# KiCad board panel.kicad_pcb (continued)
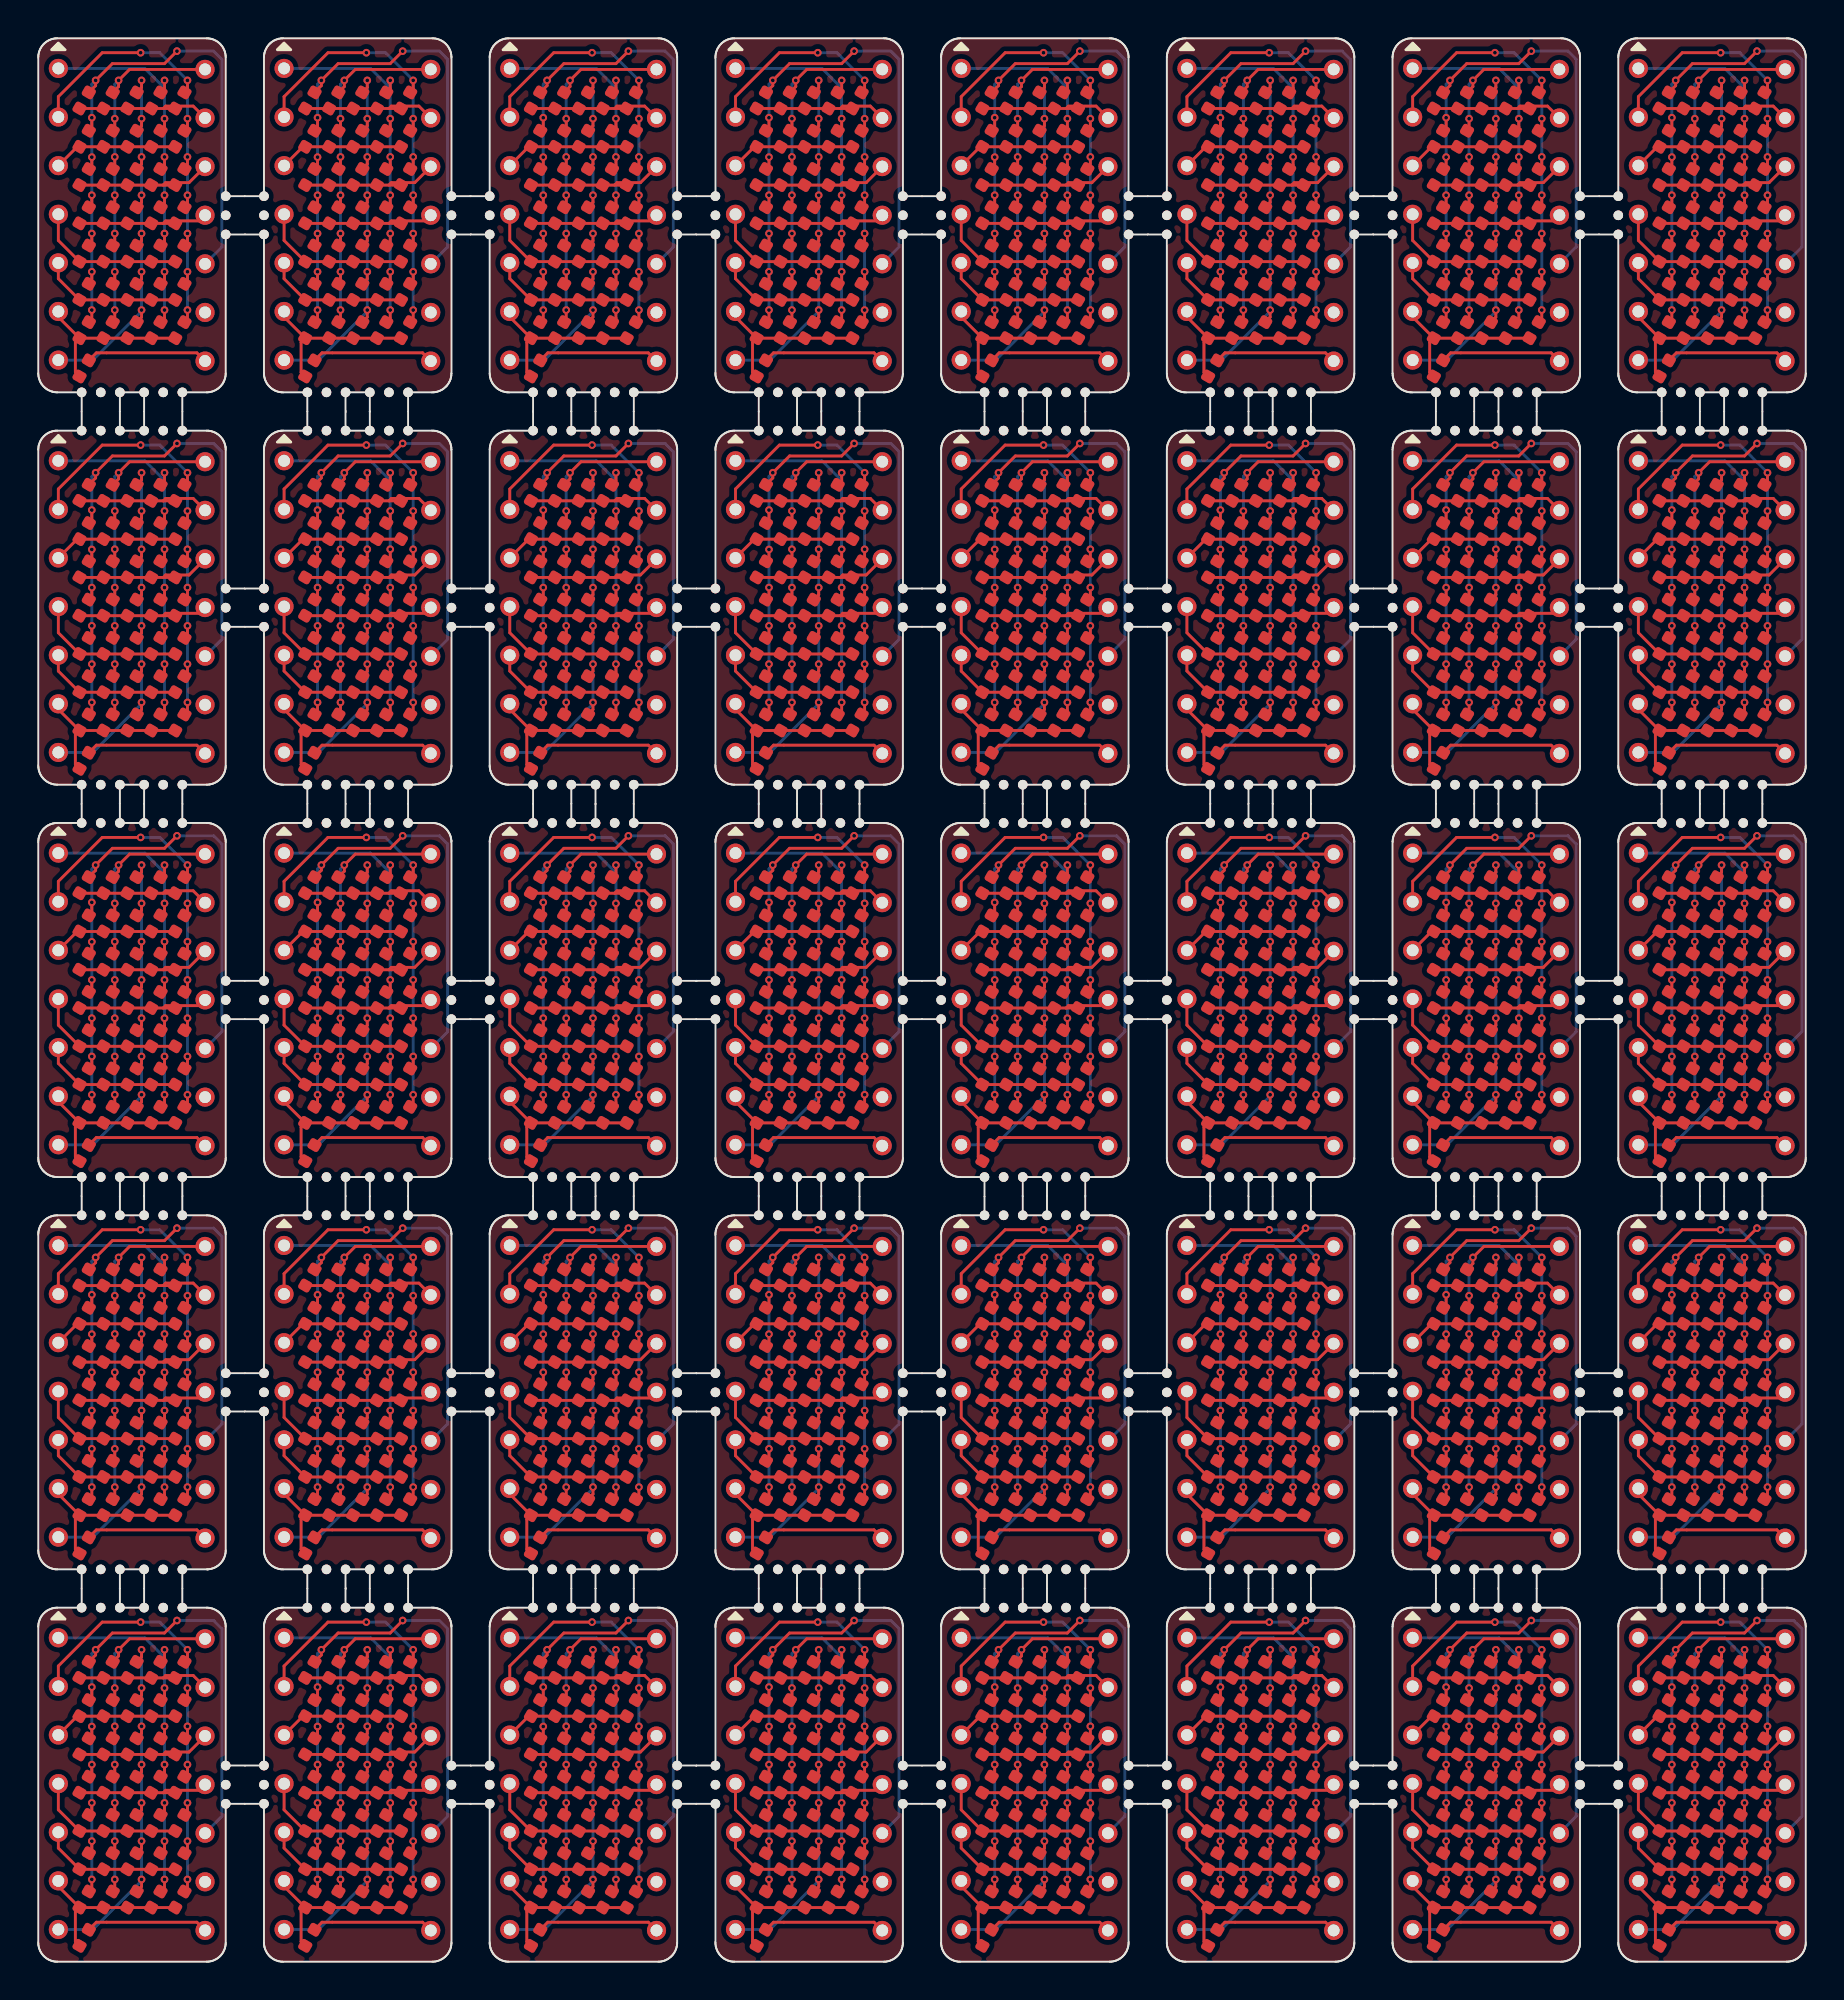
[diagram p0: board, top side]
## Routing (per net, layer and track width the routed paths; a pad name or vN(x,y) marks a point on that pad's centre or on a via; arc(x,y) is an arc through that point) (continued)
Board_1-C2: length 21.6
  Top w0.15: v1(15.8,92.3) 15.8,91.78 D12#33.2 ; D13#8.2 15.8,89.78 v1(15.8,90.3) ; v1(15.8,88.3) 15.8,87.78 D14#22.2 ; D11#27.2 15.8,93.78 v1(15.8,94.3) ; D9#3.2 16,97.98 v1(16,98.3) 16.57,98.87 20.52,98.87 J2#40.1 ; D10#39.2 15.8,95.78 v1(15.8,96.3) ; D15#21.2 15.8,85.78 v1(15.8,86.3)
  Bottom w0.15: v1(16,98.3) 15.8,98.1 v1(15.8,96.3) v1(15.8,94.3) v1(15.8,92.3) v1(15.8,90.3) v1(15.8,88.3) v1(15.8,86.3)
Board_1-C3: length 22.6
  Top w0.15: v1(17.2,86.3) 17.2,85.93 D22#25.2 ; D18#17.2 17.2,93.93 v1(17.2,94.3) ; v1(17.2,92.3) 17.2,91.93 D19.2 ; D17#6.2 17.2,95.93 v1(17.2,96.3) ; v1(17.2,98.3) 17.2,97.93 D16#4.2 ; v1(17.2,88.3) 17.2,87.93 D21#30.2 ; v1(17.2,90.3) 17.2,89.93 D20#22.2
  Bottom w0.15: J1#20.7 14.65,83.69 17.2,86.23 v1(17.2,86.3) v1(17.2,88.3) v1(17.2,90.3) v1(17.2,92.3) v1(17.2,94.3) v1(17.2,96.3) v1(17.2,98.3)
Board_1-C4: length 23
  Top w0.15: D23#20.2 18.4,97.88 v1(18.4,98.3) ; D25#16.2 18.4,93.88 v1(18.4,94.3) ; D27#20.2 18.4,89.88 v1(18.4,90.3) ; D28#25.2 18.4,87.88 v1(18.4,88.3) ; D29#34.2 18.4,85.88 v1(18.4,86.3) ; D24#32.2 18.4,95.88 v1(18.4,96.3) ; D26#22.2 18.4,91.88 v1(18.4,92.3)
  Bottom w0.15: v1(18.4,98.3) 18.4,97.89 ; 18.4,97.89 v1(18.4,96.3) v1(18.4,94.3) v1(18.4,92.3) v1(18.4,90.3) v1(18.4,88.3) v1(18.4,86.3) ; 18.4,97.89 17.37,98.92 J1#20.1
Board_1-C5: length 26.2
  Top w0.15: v1(19.6,88.3) 19.6,87.83 D35#3.2 ; v1(19.6,96.3) 19.6,95.83 D31#8.2 ; v1(19.6,90.3) 19.6,89.83 D34#7.2 ; v1(19.6,92.3) 19.6,91.83 D33#23.2 ; J1#20.2 12.85,97.45 15.14,99.75 v1(17.15,99.75) ; D36#27.2 19.6,85.83 v1(19.6,86.3) ; v1(19.6,98.3) 19.6,97.83 D30#33.2 ; D32#34.2 19.6,93.83 v1(19.6,94.3)
  Bottom w0.15: v1(17.15,99.75) 18.16,99.75 v1(19.6,98.3) v1(19.6,96.3) v1(19.6,94.3) v1(19.6,92.3) v1(19.6,90.3) v1(19.6,88.3) v1(19.6,86.3)
Board_1-DP: length 6.4
  Top w0.15: D8#13.2 14.84,84.06 20.09,84.06 J2#40.7
Board_1-R1: length 7.5
  Top w0.15: 18.33,96.83 D23#20.1 D16#4.1 D9#3.1 D1#35.1 ; 18.33,96.83 D30#33.1 ; 18.33,96.83 18.46,96.96 19.9,96.96 J2#40.2
Board_1-R2: length 6.5
  Top w0.15: D31#8.1 D24#32.1 D17#6.1 D10#39.1 D2#20.1 13.84,94.83 J1#20.3
Board_1-R3: length 7.6
  Top w0.15: 18.33,92.83 18.46,92.96 19.68,92.96 J2#40.3 ; 18.33,92.83 D32#34.1 ; 18.33,92.83 D25#16.1 D18#17.1 D11#27.1 D3#29.1
Board_1-R4: length 7.4
  Top w0.15: D4#13.1 D12#33.1 D19.1 D26#22.1 18.33,90.83 ; 18.33,90.83 18.46,90.96 20.22,90.96 J2#40.4 ; 18.33,90.83 D33#23.1
Board_1-R5: length 7.9
  Top w0.15: D34#7.1 D27#20.1 D20#22.1 D13#8.1 D5#3.1 12.85,89.94 J1#20.4
Board_1-R6: length 7.4
  Top w0.15: J1#20.5 12.85,87.94 D6#38.1 D14#22.1 D21#30.1 D28#25.1 D35#3.1
Board_1-R7: length 9
  Top w0.15: D7#13.1 D15#21.1 D22#25.1 D29#34.1 D36#27.1 ; D7#13.1 12.85,85.94 J1#20.6 ; D7#13.1 13.74,84.61 13.74,83.05 D8#13.1
Board_2-C1: length 35.5
  Top w0.15: v1(26.4,88.3) 26.4,87.83 D6#26.2 ; v1(26.4,86.3) 26.4,85.83 D7#29.2 ; v1(26.4,94.29) 26.4,93.83 D3#2.2 ; v1(26.4,92.3) 26.4,91.83 D4#40.2 ; v1(26.4,90.3) 26.4,89.83 D5#11.2 ; v1(30.85,99.83) 30.2,99.18 27.48,99.18 v1(26.6,98.3) 26.6,98.03 D1#4.2 ; v1(26.4,96.35) 26.4,95.83 D2#18.2
  Bottom w0.15: v1(26.4,86.3) v1(26.4,88.3) v1(26.4,90.3) v1(26.4,92.3) v1(26.4,94.29) v1(26.4,96.35) 26.4,98.1 v1(26.6,98.3) ; v1(30.85,99.83) 32.77,99.83 33.2,99.4 33.2,89.59 J2#2.5
Board_2-C2: length 21.6
  Top w0.15: D14#32.2 27.6,87.78 v1(27.6,88.3) ; D9#23.2 27.8,97.98 v1(27.8,98.3) 28.37,98.87 32.32,98.87 J2#2.1 ; v1(27.6,96.3) 27.6,95.78 D10.2 ; v1(27.6,90.3) 27.6,89.78 D13#14.2 ; v1(27.6,94.3) 27.6,93.78 D11#16.2 ; v1(27.6,86.3) 27.6,85.78 D15.2 ; D12#28.2 27.6,91.78 v1(27.6,92.3)
  Bottom w0.15: v1(27.6,86.3) v1(27.6,88.3) v1(27.6,90.3) v1(27.6,92.3) v1(27.6,94.3) v1(27.6,96.3) 27.6,98.1 v1(27.8,98.3)
Board_2-C3: length 22.6
  Top w0.15: v1(29,98.3) 29,97.93 D16#26.2 ; D20#8.2 29,89.93 v1(29,90.3) ; v1(29,94.3) 29,93.93 D18#15.2 ; v1(29,86.3) 29,85.93 D22#10.2 ; D17#13.2 29,95.93 v1(29,96.3) ; v1(29,88.3) 29,87.93 D21#17.2 ; v1(29,92.3) 29,91.93 D19#37.2
  Bottom w0.15: J1#23.7 26.45,83.69 29,86.23 v1(29,86.3) v1(29,88.3) v1(29,90.3) v1(29,92.3) v1(29,94.3) v1(29,96.3) v1(29,98.3)
Board_2-C4: length 23
  Top w0.15: D24#3.2 30.2,95.88 v1(30.2,96.3) ; D26#16.2 30.2,91.88 v1(30.2,92.3) ; v1(30.2,98.3) 30.2,97.88 D23#35.2 ; D27#17.2 30.2,89.88 v1(30.2,90.3) ; D25#31.2 30.2,93.88 v1(30.2,94.3) ; v1(30.2,86.3) 30.2,85.88 D29#21.2 ; D28#10.2 30.2,87.88 v1(30.2,88.3)
  Bottom w0.15: 30.2,97.89 29.17,98.92 J1#23.1 ; 30.2,97.89 v1(30.2,98.3) ; 30.2,97.89 v1(30.2,96.3) v1(30.2,94.3) v1(30.2,92.3) v1(30.2,90.3) v1(30.2,88.3) v1(30.2,86.3)
Board_2-C5: length 26.2
  Top w0.15: v1(31.4,94.3) 31.4,93.83 D32#7.2 ; v1(31.4,96.3) 31.4,95.83 D31.2 ; v1(31.4,92.3) 31.4,91.83 D33#21.2 ; D36#28.2 31.4,85.83 v1(31.4,86.3) ; v1(28.95,99.75) 26.95,99.75 24.65,97.45 J1#23.2 ; v1(31.4,90.3) 31.4,89.83 D34#40.2 ; D30#29.2 31.4,97.83 v1(31.4,98.3) ; v1(31.4,88.3) 31.4,87.83 D35#4.2
  Bottom w0.15: v1(31.4,86.3) v1(31.4,88.3) v1(31.4,90.3) v1(31.4,92.3) v1(31.4,94.3) v1(31.4,96.3) v1(31.4,98.3) 29.95,99.75 v1(28.95,99.75)
Board_2-DP: length 6.4
  Top w0.15: D8#17.2 26.64,84.06 31.89,84.06 J2#2.7
Board_2-R1: length 7.5
  Top w0.15: 30.13,96.83 D23#35.1 D16#26.1 D9#23.1 D1#4.1 ; 30.13,96.83 30.26,96.96 31.7,96.96 J2#2.2 ; 30.13,96.83 D30#29.1
Board_2-R2: length 6.5
  Top w0.15: J1#23.3 25.64,94.83 D2#18.1 D10.1 D17#13.1 D24#3.1 D31.1
Board_2-R3: length 7.6
  Top w0.15: D3#2.1 D11#16.1 D18#15.1 D25#31.1 30.13,92.83 ; 30.13,92.83 30.26,92.96 31.48,92.96 J2#2.3 ; 30.13,92.83 D32#7.1
Board_2-R4: length 7.4
  Top w0.15: D4#40.1 D12#28.1 D19#37.1 D26#16.1 30.13,90.83 ; 30.13,90.83 D33#21.1 ; 30.13,90.83 30.26,90.96 32.02,90.96 J2#2.4
Board_2-R5: length 7.9
  Top w0.15: J1#23.4 24.65,89.94 D5#11.1 D13#14.1 D20#8.1 D27#17.1 D34#40.1
Board_2-R6: length 7.4
  Top w0.15: D35#4.1 D28#10.1 D21#17.1 D14#32.1 D6#26.1 24.65,87.94 J1#23.5
Board_2-R7: length 9
  Top w0.15: D7#29.1 24.65,85.94 J1#23.6 ; D7#29.1 D15.1 D22#10.1 D29#21.1 D36#28.1 ; D7#29.1 25.54,84.61 25.54,83.05 D8#17.1
Board_3-C1: length 35.5
  Top w0.15: D4#23.2 38.2,91.83 v1(38.2,92.3) ; v1(38.2,86.3) 38.2,85.83 D7#3.2 ; D3#8.2 38.2,93.83 v1(38.2,94.29) ; v1(42.65,99.83) 42,99.18 39.28,99.18 v1(38.4,98.3) 38.4,98.03 D1#15.2 ; v1(38.2,88.3) 38.2,87.83 D6#12.2 ; v1(38.2,96.35) 38.2,95.83 D2#35.2 ; v1(38.2,90.3) 38.2,89.83 D5#15.2
  Bottom w0.15: v1(38.2,86.3) v1(38.2,88.3) v1(38.2,90.3) v1(38.2,92.3) v1(38.2,94.29) v1(38.2,96.35) 38.2,98.1 v1(38.4,98.3) ; J2#36.5 45,89.59 45,99.4 44.57,99.83 v1(42.65,99.83)
Board_3-C2: length 21.6
  Top w0.15: v1(39.4,92.3) 39.4,91.78 D12#9.2 ; D13#40.2 39.4,89.78 v1(39.4,90.3) ; D9#31.2 39.6,97.98 v1(39.6,98.3) 40.17,98.87 44.12,98.87 J2#36.1 ; v1(39.4,88.3) 39.4,87.78 D14#37.2 ; D10#36.2 39.4,95.78 v1(39.4,96.3) ; v1(39.4,94.3) 39.4,93.78 D11#7.2 ; v1(39.4,86.3) 39.4,85.78 D15#38.2
  Bottom w0.15: v1(39.6,98.3) 39.4,98.1 v1(39.4,96.3) v1(39.4,94.3) v1(39.4,92.3) v1(39.4,90.3) v1(39.4,88.3) v1(39.4,86.3)
Board_3-C3: length 22.6
  Top w0.15: v1(40.8,90.3) 40.8,89.93 D20#11.2 ; v1(40.8,94.3) 40.8,93.93 D18#5.2 ; D21#21.2 40.8,87.93 v1(40.8,88.3) ; D19#21.2 40.8,91.93 v1(40.8,92.3) ; v1(40.8,96.3) 40.8,95.93 D17#14.2 ; v1(40.8,86.3) 40.8,85.93 D22#38.2 ; D16#15.2 40.8,97.93 v1(40.8,98.3)
  Bottom w0.15: v1(40.8,98.3) v1(40.8,96.3) v1(40.8,94.3) v1(40.8,92.3) v1(40.8,90.3) v1(40.8,88.3) v1(40.8,86.3) 40.8,86.23 38.25,83.69 J1#31.7
Board_3-C4: length 23
  Top w0.15: v1(42,90.3) 42,89.88 D27#29.2 ; v1(42,86.3) 42,85.88 D29#39.2 ; D26#15.2 42,91.88 v1(42,92.3) ; D25.2 42,93.88 v1(42,94.3) ; D23#27.2 42,97.88 v1(42,98.3) ; D28#35.2 42,87.88 v1(42,88.3) ; v1(42,96.3) 42,95.88 D24#2.2
  Bottom w0.15: J1#31.1 40.97,98.92 42,97.89 ; v1(42,98.3) 42,97.89 ; 42,97.89 v1(42,96.3) v1(42,94.3) v1(42,92.3) v1(42,90.3) v1(42,88.3) v1(42,86.3)
Board_3-C5: length 26.2
  Top w0.15: J1#31.2 36.45,97.45 38.74,99.75 v1(40.75,99.75) ; D33#29.2 43.2,91.83 v1(43.2,92.3) ; v1(43.2,94.3) 43.2,93.83 D32#14.2 ; v1(43.2,86.3) 43.2,85.83 D36#36.2 ; v1(43.2,88.3) 43.2,87.83 D35#29.2 ; v1(43.2,98.3) 43.2,97.83 D30#7.2 ; D34#33.2 43.2,89.83 v1(43.2,90.3) ; D31#26.2 43.2,95.83 v1(43.2,96.3)
  Bottom w0.15: v1(43.2,86.3) v1(43.2,88.3) v1(43.2,90.3) v1(43.2,92.3) v1(43.2,94.3) v1(43.2,96.3) v1(43.2,98.3) 41.76,99.75 v1(40.75,99.75)
Board_3-DP: length 6.4
  Top w0.15: J2#36.7 43.69,84.06 38.44,84.06 D8#3.2
Board_3-R1: length 7.5
  Top w0.15: D1#15.1 D9#31.1 D16#15.1 D23#27.1 41.93,96.83 ; D30#7.1 41.93,96.83 ; 41.93,96.83 42.06,96.96 43.5,96.96 J2#36.2
Board_3-R2: length 6.5
  Top w0.15: J1#31.3 37.44,94.83 D2#35.1 D10#36.1 D17#14.1 D24#2.1 D31#26.1
Board_3-R3: length 7.6
  Top w0.15: D3#8.1 D11#7.1 D18#5.1 D25.1 41.93,92.83 ; D32#14.1 41.93,92.83 ; 41.93,92.83 42.06,92.96 43.28,92.96 J2#36.3
Board_3-R4: length 7.4
  Top w0.15: 41.93,90.83 42.06,90.96 43.82,90.96 J2#36.4 ; 41.93,90.83 D33#29.1 ; 41.93,90.83 D26#15.1 D19#21.1 D12#9.1 D4#23.1
Board_3-R5: length 7.9
  Top w0.15: D34#33.1 D27#29.1 D20#11.1 D13#40.1 D5#15.1 36.45,89.94 J1#31.4
Board_3-R6: length 7.4
  Top w0.15: D35#29.1 D28#35.1 D21#21.1 D14#37.1 D6#12.1 36.45,87.94 J1#31.5
Board_3-R7: length 9
  Top w0.15: J1#31.6 36.45,85.94 D7#3.1 ; D7#3.1 D15#38.1 D22#38.1 D29#39.1 D36#36.1 ; D7#3.1 37.34,84.61 37.34,83.05 D8#3.1
Board_4-C1: length 35.5
  Top w0.15: v1(50,94.29) 50,93.83 D3#18.2 ; v1(50,96.35) 50,95.83 D2#32.2 ; v1(50,90.3) 50,89.83 D5#19.2 ; v1(50,86.3) 50,85.83 D7#17.2 ; v1(54.45,99.83) 53.8,99.18 51.08,99.18 v1(50.2,98.3) 50.2,98.03 D1#10.2 ; D6#9.2 50,87.83 v1(50,88.3) ; D4#10.2 50,91.83 v1(50,92.3)
  Bottom w0.15: v1(54.45,99.83) 56.37,99.83 56.8,99.4 56.8,89.59 J2#23.5 ; v1(50.2,98.3) 50,98.1 v1(50,96.35) v1(50,94.29) v1(50,92.3) v1(50,90.3) v1(50,88.3) v1(50,86.3)
Board_4-C2: length 21.6
  Top w0.15: v1(51.2,88.3) 51.2,87.78 D14#38.2 ; v1(51.2,86.3) 51.2,85.78 D15#12.2 ; D9#36.2 51.4,97.98 v1(51.4,98.3) 51.97,98.87 55.92,98.87 J2#23.1 ; D11#34.2 51.2,93.78 v1(51.2,94.3) ; D12#24.2 51.2,91.78 v1(51.2,92.3) ; D10#8.2 51.2,95.78 v1(51.2,96.3) ; v1(51.2,90.3) 51.2,89.78 D13#19.2
  Bottom w0.15: v1(51.2,86.3) v1(51.2,88.3) v1(51.2,90.3) v1(51.2,92.3) v1(51.2,94.3) v1(51.2,96.3) 51.2,98.1 v1(51.4,98.3)
Board_4-C3: length 22.6
  Top w0.15: D22#36.2 52.6,85.93 v1(52.6,86.3) ; D16#33.2 52.6,97.93 v1(52.6,98.3) ; D17#28.2 52.6,95.93 v1(52.6,96.3) ; D20#34.2 52.6,89.93 v1(52.6,90.3) ; v1(52.6,88.3) 52.6,87.93 D21#35.2 ; D18#35.2 52.6,93.93 v1(52.6,94.3) ; D19#11.2 52.6,91.93 v1(52.6,92.3)
  Bottom w0.15: v1(52.6,98.3) v1(52.6,96.3) v1(52.6,94.3) v1(52.6,92.3) v1(52.6,90.3) v1(52.6,88.3) v1(52.6,86.3) 52.6,86.23 50.05,83.69 J1#21.7
Board_4-C4: length 23
  Top w0.15: D28#5.2 53.8,87.88 v1(53.8,88.3) ; D25#21.2 53.8,93.88 v1(53.8,94.3) ; v1(53.8,86.3) 53.8,85.88 D29#23.2 ; D24#39.2 53.8,95.88 v1(53.8,96.3) ; D26#12.2 53.8,91.88 v1(53.8,92.3) ; v1(53.8,90.3) 53.8,89.88 D27#10.2 ; v1(53.8,98.3) 53.8,97.88 D23#16.2
  Bottom w0.15: v1(53.8,86.3) v1(53.8,88.3) v1(53.8,90.3) v1(53.8,92.3) v1(53.8,94.3) v1(53.8,96.3) 53.8,97.89 ; v1(53.8,98.3) 53.8,97.89 ; 53.8,97.89 52.77,98.92 J1#21.1
Board_4-C5: length 26.2
  Top w0.15: D35#10.2 55,87.83 v1(55,88.3) ; v1(55,90.3) 55,89.83 D34#18.2 ; v1(52.55,99.75) 50.55,99.75 48.25,97.45 J1#21.2 ; v1(55,92.3) 55,91.83 D33#25.2 ; v1(55,98.3) 55,97.83 D30#19.2 ; v1(55,94.3) 55,93.83 D32#20.2 ; D36#8.2 55,85.83 v1(55,86.3) ; D31#21.2 55,95.83 v1(55,96.3)
  Bottom w0.15: v1(55,86.3) v1(55,88.3) v1(55,90.3) v1(55,92.3) v1(55,94.3) v1(55,96.3) v1(55,98.3) 53.55,99.75 v1(52.55,99.75)
Board_4-DP: length 6.4
  Top w0.15: J2#23.7 55.49,84.06 50.24,84.06 D8#39.2
Board_4-R1: length 7.5
  Top w0.15: D1#10.1 D9#36.1 D16#33.1 D23#16.1 53.73,96.83 ; J2#23.2 55.3,96.96 53.86,96.96 53.73,96.83 ; D30#19.1 53.73,96.83
Board_4-R2: length 6.5
  Top w0.15: D31#21.1 D24#39.1 D17#28.1 D10#8.1 D2#32.1 49.23,94.83 J1#21.3
Board_4-R3: length 7.6
  Top w0.15: 53.73,92.83 D25#21.1 D18#35.1 D11#34.1 D3#18.1 ; 53.73,92.83 53.86,92.96 55.08,92.96 J2#23.3 ; 53.73,92.83 D32#20.1
Board_4-R4: length 7.4
  Top w0.15: J2#23.4 55.62,90.96 53.86,90.96 53.73,90.83 ; 53.73,90.83 D33#25.1 ; 53.73,90.83 D26#12.1 D19#11.1 D12#24.1 D4#10.1
Board_4-R5: length 7.9
  Top w0.15: D34#18.1 D27#10.1 D20#34.1 D13#19.1 D5#19.1 48.25,89.94 J1#21.4
Board_4-R6: length 7.4
  Top w0.15: D35#10.1 D28#5.1 D21#35.1 D14#38.1 D6#9.1 48.25,87.94 J1#21.5
Board_4-R7: length 9
  Top w0.15: D7#17.1 D15#12.1 D22#36.1 D29#23.1 D36#8.1 ; D7#17.1 49.14,84.61 49.14,83.05 D8#39.1 ; D7#17.1 48.25,85.94 J1#21.6
Board_5-C1: length 35.5
  Top w0.15: v1(61.8,94.29) 61.8,93.83 D3#17.2 ; D6#22.2 61.8,87.83 v1(61.8,88.3) ; v1(61.8,92.3) 61.8,91.83 D4#27.2 ; D5#18.2 61.8,89.83 v1(61.8,90.3) ; D1#14.2 62,98.03 v1(62,98.3) 62.88,99.18 65.6,99.18 v1(66.25,99.83) ; v1(61.8,86.3) 61.8,85.83 D7#6.2 ; v1(61.8,96.35) 61.8,95.83 D2#19.2
  Bottom w0.15: v1(61.8,86.3) v1(61.8,88.3) v1(61.8,90.3) v1(61.8,92.3) v1(61.8,94.29) v1(61.8,96.35) 61.8,98.1 v1(62,98.3) ; v1(66.25,99.83) 68.17,99.83 68.6,99.4 68.6,89.59 J2#39.5
Board_5-C2: length 21.6
  Top w0.15: v1(63,86.3) 63,85.78 D15#27.2 ; J2#39.1 67.72,98.87 63.77,98.87 v1(63.2,98.3) 63.2,97.98 D9.2 ; D14#39.2 63,87.78 v1(63,88.3) ; D10#33.2 63,95.78 v1(63,96.3) ; D13#33.2 63,89.78 v1(63,90.3) ; D12#20.2 63,91.78 v1(63,92.3) ; v1(63,94.3) 63,93.78 D11#22.2
  Bottom w0.15: v1(63,86.3) v1(63,88.3) v1(63,90.3) v1(63,92.3) v1(63,94.3) v1(63,96.3) 63,98.1 v1(63.2,98.3)
Board_5-C3: length 22.6
  Top w0.15: v1(64.4,98.3) 64.4,97.93 D16#40.2 ; D22#11.2 64.4,85.93 v1(64.4,86.3) ; v1(64.4,92.3) 64.4,91.93 D19#27.2 ; D21#4.2 64.4,87.93 v1(64.4,88.3) ; v1(64.4,96.3) 64.4,95.93 D17#2.2 ; D18#36.2 64.4,93.93 v1(64.4,94.3) ; D20#20.2 64.4,89.93 v1(64.4,90.3)
  Bottom w0.15: v1(64.4,98.3) v1(64.4,96.3) v1(64.4,94.3) v1(64.4,92.3) v1(64.4,90.3) v1(64.4,88.3) v1(64.4,86.3) 64.4,86.23 61.85,83.69 J1#40.7
Board_5-C4: length 23
  Top w0.15: D26#37.2 65.6,91.88 v1(65.6,92.3) ; v1(65.6,90.3) 65.6,89.88 D27#19.2 ; v1(65.6,96.3) 65.6,95.88 D24#24.2 ; D23#18.2 65.6,97.88 v1(65.6,98.3) ; D29#19.2 65.6,85.88 v1(65.6,86.3) ; D28.2 65.6,87.88 v1(65.6,88.3) ; v1(65.6,94.3) 65.6,93.88 D25#12.2
  Bottom w0.15: 65.6,97.89 64.57,98.92 J1#40.1 ; 65.6,97.89 v1(65.6,96.3) v1(65.6,94.3) v1(65.6,92.3) v1(65.6,90.3) v1(65.6,88.3) v1(65.6,86.3) ; 65.6,97.89 v1(65.6,98.3)
Board_5-C5: length 26.2
  Top w0.15: v1(66.8,88.3) 66.8,87.83 D35#27.2 ; v1(66.8,86.3) 66.8,85.83 D36#38.2 ; D31#2.2 66.8,95.83 v1(66.8,96.3) ; v1(66.8,90.3) 66.8,89.83 D34#17.2 ; D30#16.2 66.8,97.83 v1(66.8,98.3) ; D33#9.2 66.8,91.83 v1(66.8,92.3) ; D32#8.2 66.8,93.83 v1(66.8,94.3) ; v1(64.35,99.75) 62.35,99.75 60.05,97.45 J1#40.2
  Bottom w0.15: v1(66.8,86.3) v1(66.8,88.3) v1(66.8,90.3) v1(66.8,92.3) v1(66.8,94.3) v1(66.8,96.3) v1(66.8,98.3) 65.36,99.75 v1(64.35,99.75)
Board_5-DP: length 6.4
  Top w0.15: D8#8.2 62.04,84.06 67.29,84.06 J2#39.7
Board_5-R1: length 7.5
  Top w0.15: D30#16.1 65.53,96.83 ; 65.53,96.83 D23#18.1 D16#40.1 D9.1 D1#14.1 ; 65.53,96.83 65.66,96.96 67.1,96.96 J2#39.2
Board_5-R2: length 6.5
  Top w0.15: J1#40.3 61.04,94.83 D2#19.1 D10#33.1 D17#2.1 D24#24.1 D31#2.1
Board_5-R3: length 7.6
  Top w0.15: D32#8.1 65.53,92.83 ; 65.53,92.83 D25#12.1 D18#36.1 D11#22.1 D3#17.1 ; 65.53,92.83 65.66,92.96 66.88,92.96 J2#39.3
Board_5-R4: length 7.4
  Top w0.15: 65.53,90.83 D26#37.1 D19#27.1 D12#20.1 D4#27.1 ; 65.53,90.83 65.66,90.96 67.42,90.96 J2#39.4 ; 65.53,90.83 D33#9.1
Board_5-R5: length 7.9
  Top w0.15: J1#40.4 60.05,89.94 D5#18.1 D13#33.1 D20#20.1 D27#19.1 D34#17.1
Board_5-R6: length 7.4
  Top w0.15: J1#40.5 60.05,87.94 D6#22.1 D14#39.1 D21#4.1 D28.1 D35#27.1
Board_5-R7: length 9
  Top w0.15: D7#6.1 60.94,84.61 60.94,83.05 D8#8.1 ; D7#6.1 60.05,85.94 J1#40.6 ; D7#6.1 D15#27.1 D22#11.1 D29#19.1 D36#38.1
Board_6-C1: length 35.5
  Top w0.15: v1(73.6,96.35) 73.6,95.83 D2#38.2 ; D4#5.2 73.6,91.83 v1(73.6,92.3) ; v1(73.6,86.3) 73.6,85.83 D7#20.2 ; D5#21.2 73.6,89.83 v1(73.6,90.3) ; D6#31.2 73.6,87.83 v1(73.6,88.3) ; v1(78.05,99.83) 77.4,99.18 74.68,99.18 v1(73.8,98.3) 73.8,98.03 D1#12.2 ; D3.2 73.6,93.83 v1(73.6,94.29)
  Bottom w0.15: v1(73.6,86.3) v1(73.6,88.3) v1(73.6,90.3) v1(73.6,92.3) v1(73.6,94.29) v1(73.6,96.35) 73.6,98.1 v1(73.8,98.3) ; v1(78.05,99.83) 79.97,99.83 80.4,99.4 80.4,89.59 J2#10.5
Board_6-C2: length 21.6
  Top w0.15: D11#39.2 74.8,93.78 v1(74.8,94.3) ; D9#21.2 75,97.98 v1(75,98.3) 75.57,98.87 79.52,98.87 J2#10.1 ; D14#40.2 74.8,87.78 v1(74.8,88.3) ; D13#21.2 74.8,89.78 v1(74.8,90.3) ; D10#35.2 74.8,95.78 v1(74.8,96.3) ; D15#23.2 74.8,85.78 v1(74.8,86.3) ; v1(74.8,92.3) 74.8,91.78 D12#27.2
  Bottom w0.15: v1(75,98.3) 74.8,98.1 v1(74.8,96.3) v1(74.8,94.3) v1(74.8,92.3) v1(74.8,90.3) v1(74.8,88.3) v1(74.8,86.3)
Board_6-C3: length 22.6
  Top w0.15: v1(76.2,94.3) 76.2,93.93 D18#7.2 ; v1(76.2,88.3) 76.2,87.93 D21#33.2 ; v1(76.2,96.3) 76.2,95.93 D17#16.2 ; D20#37.2 76.2,89.93 v1(76.2,90.3) ; D16#28.2 76.2,97.93 v1(76.2,98.3) ; D19#31.2 76.2,91.93 v1(76.2,92.3) ; D22#18.2 76.2,85.93 v1(76.2,86.3)
  Bottom w0.15: J1#8.7 73.65,83.69 76.2,86.23 v1(76.2,86.3) v1(76.2,88.3) v1(76.2,90.3) v1(76.2,92.3) v1(76.2,94.3) v1(76.2,96.3) v1(76.2,98.3)
Board_6-C4: length 23
  Top w0.15: v1(77.4,92.3) 77.4,91.88 D26#21.2 ; D28#23.2 77.4,87.88 v1(77.4,88.3) ; D23#17.2 77.4,97.88 v1(77.4,98.3) ; v1(77.4,90.3) 77.4,89.88 D27#9.2 ; v1(77.4,86.3) 77.4,85.88 D29#13.2 ; v1(77.4,94.3) 77.4,93.88 D25#18.2 ; v1(77.4,96.3) 77.4,95.88 D24#23.2
  Bottom w0.15: J1#8.1 76.37,98.92 77.4,97.89 ; 77.4,97.89 v1(77.4,96.3) v1(77.4,94.3) v1(77.4,92.3) v1(77.4,90.3) v1(77.4,88.3) v1(77.4,86.3) ; 77.4,97.89 v1(77.4,98.3)
Board_6-C5: length 26.2
  Top w0.15: D31#18.2 78.6,95.83 v1(78.6,96.3) ; D36#37.2 78.6,85.83 v1(78.6,86.3) ; v1(78.6,90.3) 78.6,89.83 D34#31.2 ; v1(78.6,98.3) 78.6,97.83 D30#18.2 ; v1(78.6,88.3) 78.6,87.83 D35#6.2 ; D32#37.2 78.6,93.83 v1(78.6,94.3) ; v1(76.15,99.75) 74.14,99.75 71.85,97.45 J1#8.2 ; D33#30.2 78.6,91.83 v1(78.6,92.3)
  Bottom w0.15: v1(76.15,99.75) 77.16,99.75 v1(78.6,98.3) v1(78.6,96.3) v1(78.6,94.3) v1(78.6,92.3) v1(78.6,90.3) v1(78.6,88.3) v1(78.6,86.3)
Board_6-DP: length 6.4
  Top w0.15: J2#10.7 79.09,84.06 73.84,84.06 D8#37.2
Board_6-R1: length 7.5
  Top w0.15: 77.33,96.83 D23#17.1 D16#28.1 D9#21.1 D1#12.1 ; 77.33,96.83 77.46,96.96 78.9,96.96 J2#10.2 ; 77.33,96.83 D30#18.1
Board_6-R2: length 6.5
  Top w0.15: J1#8.3 72.83,94.83 D2#38.1 D10#35.1 D17#16.1 D24#23.1 D31#18.1
Board_6-R3: length 7.6
  Top w0.15: 77.33,92.83 D25#18.1 D18#7.1 D11#39.1 D3.1 ; 77.33,92.83 D32#37.1 ; 77.33,92.83 77.46,92.96 78.68,92.96 J2#10.3
Board_6-R4: length 7.4
  Top w0.15: 77.33,90.83 D33#30.1 ; 77.33,90.83 D26#21.1 D19#31.1 D12#27.1 D4#5.1 ; 77.33,90.83 77.46,90.96 79.22,90.96 J2#10.4
Board_6-R5: length 7.9
  Top w0.15: J1#8.4 71.85,89.94 D5#21.1 D13#21.1 D20#37.1 D27#9.1 D34#31.1
Board_6-R6: length 7.4
  Top w0.15: D35#6.1 D28#23.1 D21#33.1 D14#40.1 D6#31.1 71.85,87.94 J1#8.5
Board_6-R7: length 9
  Top w0.15: D7#20.1 72.74,84.61 72.74,83.05 D8#37.1 ; D7#20.1 D15#23.1 D22#18.1 D29#13.1 D36#37.1 ; D7#20.1 71.85,85.94 J1#8.6
Board_7-C1: length 35.5
  Top w0.15: D1#17.2 85.6,98.03 v1(85.6,98.3) 86.48,99.18 89.2,99.18 v1(89.85,99.83) ; D3#38.2 85.4,93.83 v1(85.4,94.29) ; D5#26.2 85.4,89.83 v1(85.4,90.3) ; v1(85.4,88.3) 85.4,87.83 D6#21.2 ; v1(85.4,86.3) 85.4,85.83 D7#30.2 ; v1(85.4,92.3) 85.4,91.83 D4#34.2 ; v1(85.4,96.35) 85.4,95.83 D2#39.2
  Bottom w0.15: v1(89.85,99.83) 91.77,99.83 92.2,99.4 92.2,89.59 J2#13.5 ; v1(85.6,98.3) 85.4,98.1 v1(85.4,96.35) v1(85.4,94.29) v1(85.4,92.3) v1(85.4,90.3) v1(85.4,88.3) v1(85.4,86.3)
Board_7-C2: length 21.6
  Top w0.15: v1(86.6,96.3) 86.6,95.78 D10#22.2 ; D12#29.2 86.6,91.78 v1(86.6,92.3) ; v1(86.6,90.3) 86.6,89.78 D13#25.2 ; v1(86.6,86.3) 86.6,85.78 D15#26.2 ; v1(86.6,94.3) 86.6,93.78 D11#12.2 ; v1(86.6,88.3) 86.6,87.78 D14#14.2 ; D9#39.2 86.8,97.98 v1(86.8,98.3) 87.37,98.87 91.32,98.87 J2#13.1
  Bottom w0.15: v1(86.8,98.3) 86.6,98.1 v1(86.6,96.3) v1(86.6,94.3) v1(86.6,92.3) v1(86.6,90.3) v1(86.6,88.3) v1(86.6,86.3)
Board_7-C3: length 22.6
  Top w0.15: v1(88,86.3) 88,85.93 D22#24.2 ; v1(88,94.3) 88,93.93 D18#8.2 ; D20#9.2 88,89.93 v1(88,90.3) ; D19#17.2 88,91.93 v1(88,92.3) ; D21#14.2 88,87.93 v1(88,88.3) ; D17#32.2 88,95.93 v1(88,96.3) ; v1(88,98.3) 88,97.93 D16#24.2
  Bottom w0.15: J1#32.7 85.45,83.69 88,86.23 v1(88,86.3) v1(88,88.3) v1(88,90.3) v1(88,92.3) v1(88,94.3) v1(88,96.3) v1(88,98.3)
Board_7-C4: length 23
  Top w0.15: v1(89.2,86.3) 89.2,85.88 D29#7.2 ; v1(89.2,98.3) 89.2,97.88 D23#23.2 ; v1(89.2,88.3) 89.2,87.88 D28#26.2 ; D24#6.2 89.2,95.88 v1(89.2,96.3) ; D25#4.2 89.2,93.88 v1(89.2,94.3) ; D26#32.2 89.2,91.88 v1(89.2,92.3) ; D27#11.2 89.2,89.88 v1(89.2,90.3)
  Bottom w0.15: J1#32.1 88.17,98.92 89.2,97.89 ; 89.2,97.89 v1(89.2,96.3) v1(89.2,94.3) v1(89.2,92.3) v1(89.2,90.3) v1(89.2,88.3) v1(89.2,86.3) ; 89.2,97.89 v1(89.2,98.3)
Board_7-C5: length 26.2
  Top w0.15: D34#19.2 90.4,89.83 v1(90.4,90.3) ; v1(90.4,88.3) 90.4,87.83 D35#38.2 ; D31#11.2 90.4,95.83 v1(90.4,96.3) ; J1#32.2 83.65,97.45 85.95,99.75 v1(87.95,99.75) ; D30#34.2 90.4,97.83 v1(90.4,98.3) ; v1(90.4,94.3) 90.4,93.83 D32#15.2 ; D33#26.2 90.4,91.83 v1(90.4,92.3) ; v1(90.4,86.3) 90.4,85.83 D36#5.2
  Bottom w0.15: v1(90.4,86.3) v1(90.4,88.3) v1(90.4,90.3) v1(90.4,92.3) v1(90.4,94.3) v1(90.4,96.3) v1(90.4,98.3) 88.95,99.75 v1(87.95,99.75)
Board_7-DP: length 6.4
  Top w0.15: D8#2.2 85.64,84.06 90.89,84.06 J2#13.7
Board_7-R1: length 7.5
  Top w0.15: 89.13,96.83 D23#23.1 D16#24.1 D9#39.1 D1#17.1 ; 89.13,96.83 D30#34.1 ; 89.13,96.83 89.26,96.96 90.7,96.96 J2#13.2
Board_7-R2: length 6.5
  Top w0.15: D31#11.1 D24#6.1 D17#32.1 D10#22.1 D2#39.1 84.64,94.83 J1#32.3
Board_7-R3: length 7.6
  Top w0.15: J2#13.3 90.48,92.96 89.26,92.96 89.13,92.83 ; 89.13,92.83 D25#4.1 D18#8.1 D11#12.1 D3#38.1 ; 89.13,92.83 D32#15.1
Board_7-R4: length 7.4
  Top w0.15: 89.13,90.83 89.26,90.96 91.02,90.96 J2#13.4 ; 89.13,90.83 D26#32.1 D19#17.1 D12#29.1 D4#34.1 ; 89.13,90.83 D33#26.1
Board_7-R5: length 7.9
  Top w0.15: D34#19.1 D27#11.1 D20#9.1 D13#25.1 D5#26.1 83.65,89.94 J1#32.4
Board_7-R6: length 7.4
  Top w0.15: D35#38.1 D28#26.1 D21#14.1 D14#14.1 D6#21.1 83.65,87.94 J1#32.5
Board_7-R7: length 9
  Top w0.15: D8#2.1 84.54,83.05 84.54,84.61 D7#30.1 ; D7#30.1 83.65,85.94 J1#32.6 ; D7#30.1 D15#26.1 D22#24.1 D29#7.1 D36#5.1
Board_8-C1: length 35.5
  Top w0.15: D1#30.2 3,77.53 v1(3,77.8) 3.88,78.68 6.6,78.68 v1(7.25,79.33) ; D2#3.2 2.8,75.33 v1(2.8,75.85) ; v1(2.8,67.8) 2.8,67.33 D6#14.2 ; v1(2.8,65.8) 2.8,65.33 D7#32.2 ; v1(2.8,73.79) 2.8,73.33 D3#15.2 ; v1(2.8,69.8) 2.8,69.33 D5#12.2 ; D4#3.2 2.8,71.33 v1(2.8,71.8)
  Bottom w0.15: v1(7.25,79.33) 9.17,79.33 9.6,78.9 9.6,69.09 J2#27.5 ; v1(3,77.8) 2.8,77.6 v1(2.8,75.85) v1(2.8,73.79) v1(2.8,71.8) v1(2.8,69.8) v1(2.8,67.8) v1(2.8,65.8)
Board_8-C2: length 21.6
  Top w0.15: J2#27.1 8.72,78.37 4.77,78.37 v1(4.2,77.8) 4.2,77.48 D9#14.2 ; v1(4,65.8) 4,65.28 D15#32.2 ; D10#15.2 4,75.28 v1(4,75.8) ; D13#24.2 4,69.28 v1(4,69.8) ; v1(4,73.8) 4,73.28 D11#30.2 ; D12#15.2 4,71.28 v1(4,71.8) ; D14#13.2 4,67.28 v1(4,67.8)
  Bottom w0.15: v1(4,65.8) v1(4,67.8) v1(4,69.8) v1(4,71.8) v1(4,73.8) v1(4,75.8) 4,77.6 v1(4.2,77.8)
Board_8-C3: length 22.6
  Top w0.15: D16#18.2 5.4,77.43 v1(5.4,77.8) ; v1(5.4,65.8) 5.4,65.43 D22#12.2 ; D19#22.2 5.4,71.43 v1(5.4,71.8) ; D18#38.2 5.4,73.43 v1(5.4,73.8) ; v1(5.4,75.8) 5.4,75.43 D17#11.2 ; D20#39.2 5.4,69.43 v1(5.4,69.8) ; D21#2.2 5.4,67.43 v1(5.4,67.8)
  Bottom w0.15: J1#27.7 2.85,63.19 5.4,65.73 v1(5.4,65.8) v1(5.4,67.8) v1(5.4,69.8) v1(5.4,71.8) v1(5.4,73.8) v1(5.4,75.8) v1(5.4,77.8)
Board_8-C4: length 23
  Top w0.15: v1(6.6,71.8) 6.6,71.38 D26#26.2 ; v1(6.6,77.8) 6.6,77.38 D23#25.2 ; v1(6.6,67.8) 6.6,67.38 D28#22.2 ; D24#4.2 6.6,75.38 v1(6.6,75.8) ; D25#2.2 6.6,73.38 v1(6.6,73.8) ; D27#25.2 6.6,69.38 v1(6.6,69.8) ; D29#27.2 6.6,65.38 v1(6.6,65.8)
  Bottom w0.15: J1#27.1 5.57,78.42 6.6,77.39 ; v1(6.6,65.8) v1(6.6,67.8) v1(6.6,69.8) v1(6.6,71.8) v1(6.6,73.8) v1(6.6,75.8) 6.6,77.39 ; 6.6,77.39 v1(6.6,77.8)
Board_8-C5: length 26.2
  Top w0.15: v1(5.35,79.25) 3.34,79.25 1.05,76.95 J1#27.2 ; D35#30.2 7.8,67.33 v1(7.8,67.8) ; D30#39.2 7.8,77.33 v1(7.8,77.8) ; v1(7.8,65.8) 7.8,65.33 D36#23.2 ; v1(7.8,71.8) 7.8,71.33 D33#3.2 ; v1(7.8,73.8) 7.8,73.33 D32#22.2 ; D31#35.2 7.8,75.33 v1(7.8,75.8) ; D34#15.2 7.8,69.33 v1(7.8,69.8)
  Bottom w0.15: v1(5.35,79.25) 6.36,79.25 v1(7.8,77.8) v1(7.8,75.8) v1(7.8,73.8) v1(7.8,71.8) v1(7.8,69.8) v1(7.8,67.8) v1(7.8,65.8)
Board_8-DP: length 6.4
  Top w0.15: J2#27.7 8.29,63.56 3.04,63.56 D8#31.2
Board_8-R1: length 7.5
  Top w0.15: J2#27.2 8.1,76.46 6.66,76.46 6.53,76.33 ; 6.53,76.33 D30#39.1 ; 6.53,76.33 D23#25.1 D16#18.1 D9#14.1 D1#30.1
Board_8-R2: length 6.5
  Top w0.15: D31#35.1 D24#4.1 D17#11.1 D10#15.1 D2#3.1 2.03,74.33 J1#27.3
Board_8-R3: length 7.6
  Top w0.15: 6.53,72.33 D25#2.1 D18#38.1 D11#30.1 D3#15.1 ; 6.53,72.33 D32#22.1 ; 6.53,72.33 6.66,72.46 7.88,72.46 J2#27.3
Board_8-R4: length 7.4
  Top w0.15: D4#3.1 D12#15.1 D19#22.1 D26#26.1 6.53,70.33 ; 6.53,70.33 D33#3.1 ; 6.53,70.33 6.66,70.46 8.42,70.46 J2#27.4
Board_8-R5: length 7.9
  Top w0.15: D34#15.1 D27#25.1 D20#39.1 D13#24.1 D5#12.1 1.05,69.44 J1#27.4